# Altium PCB Anchor.PcbDoc
Units mil, origin at the board's own origin, x right, y up, seen from the top; angles counter-clockwise.
Board outline 1889.76 x 1417.32 mil, 2 copper layers (Top Layer, Bottom Layer); 50 components, 36 nets, 187 pads, 45 vias.
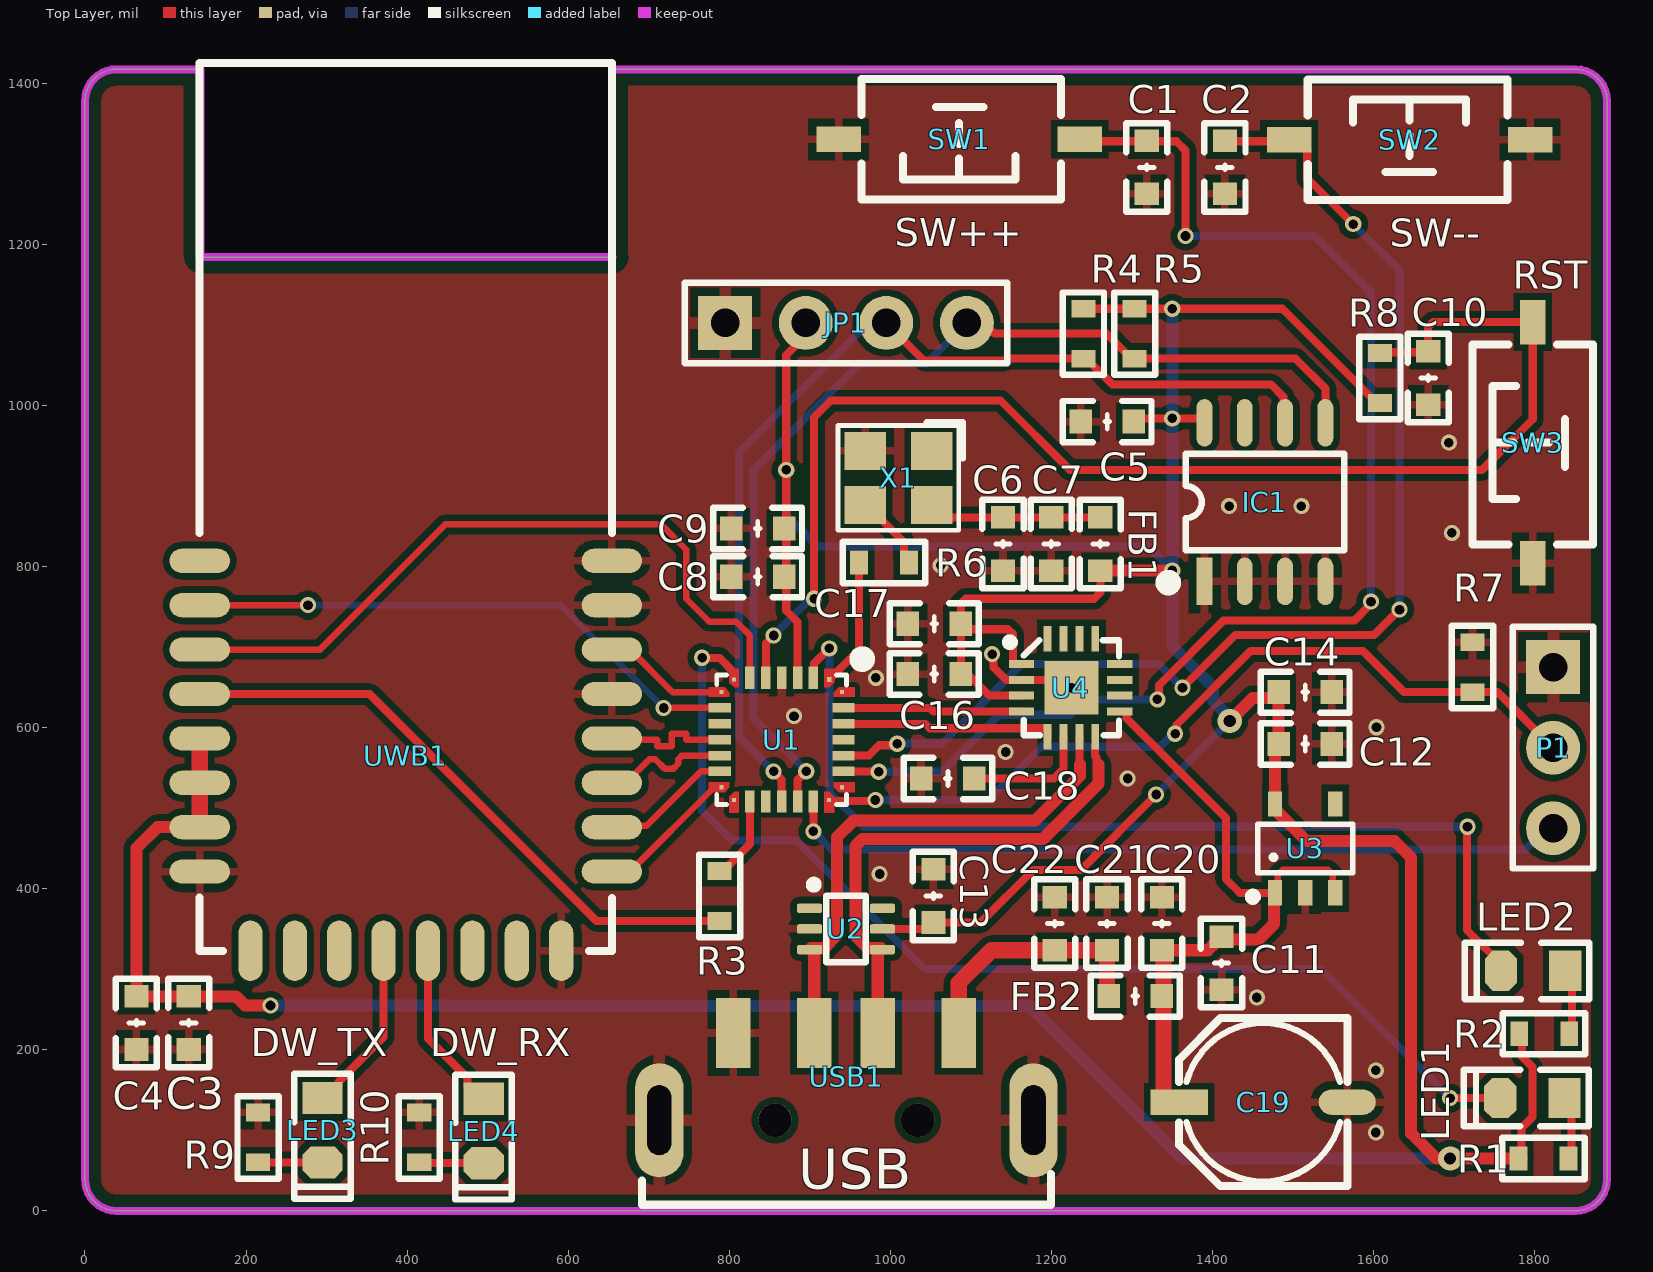
[diagram p0: Top Layer view]
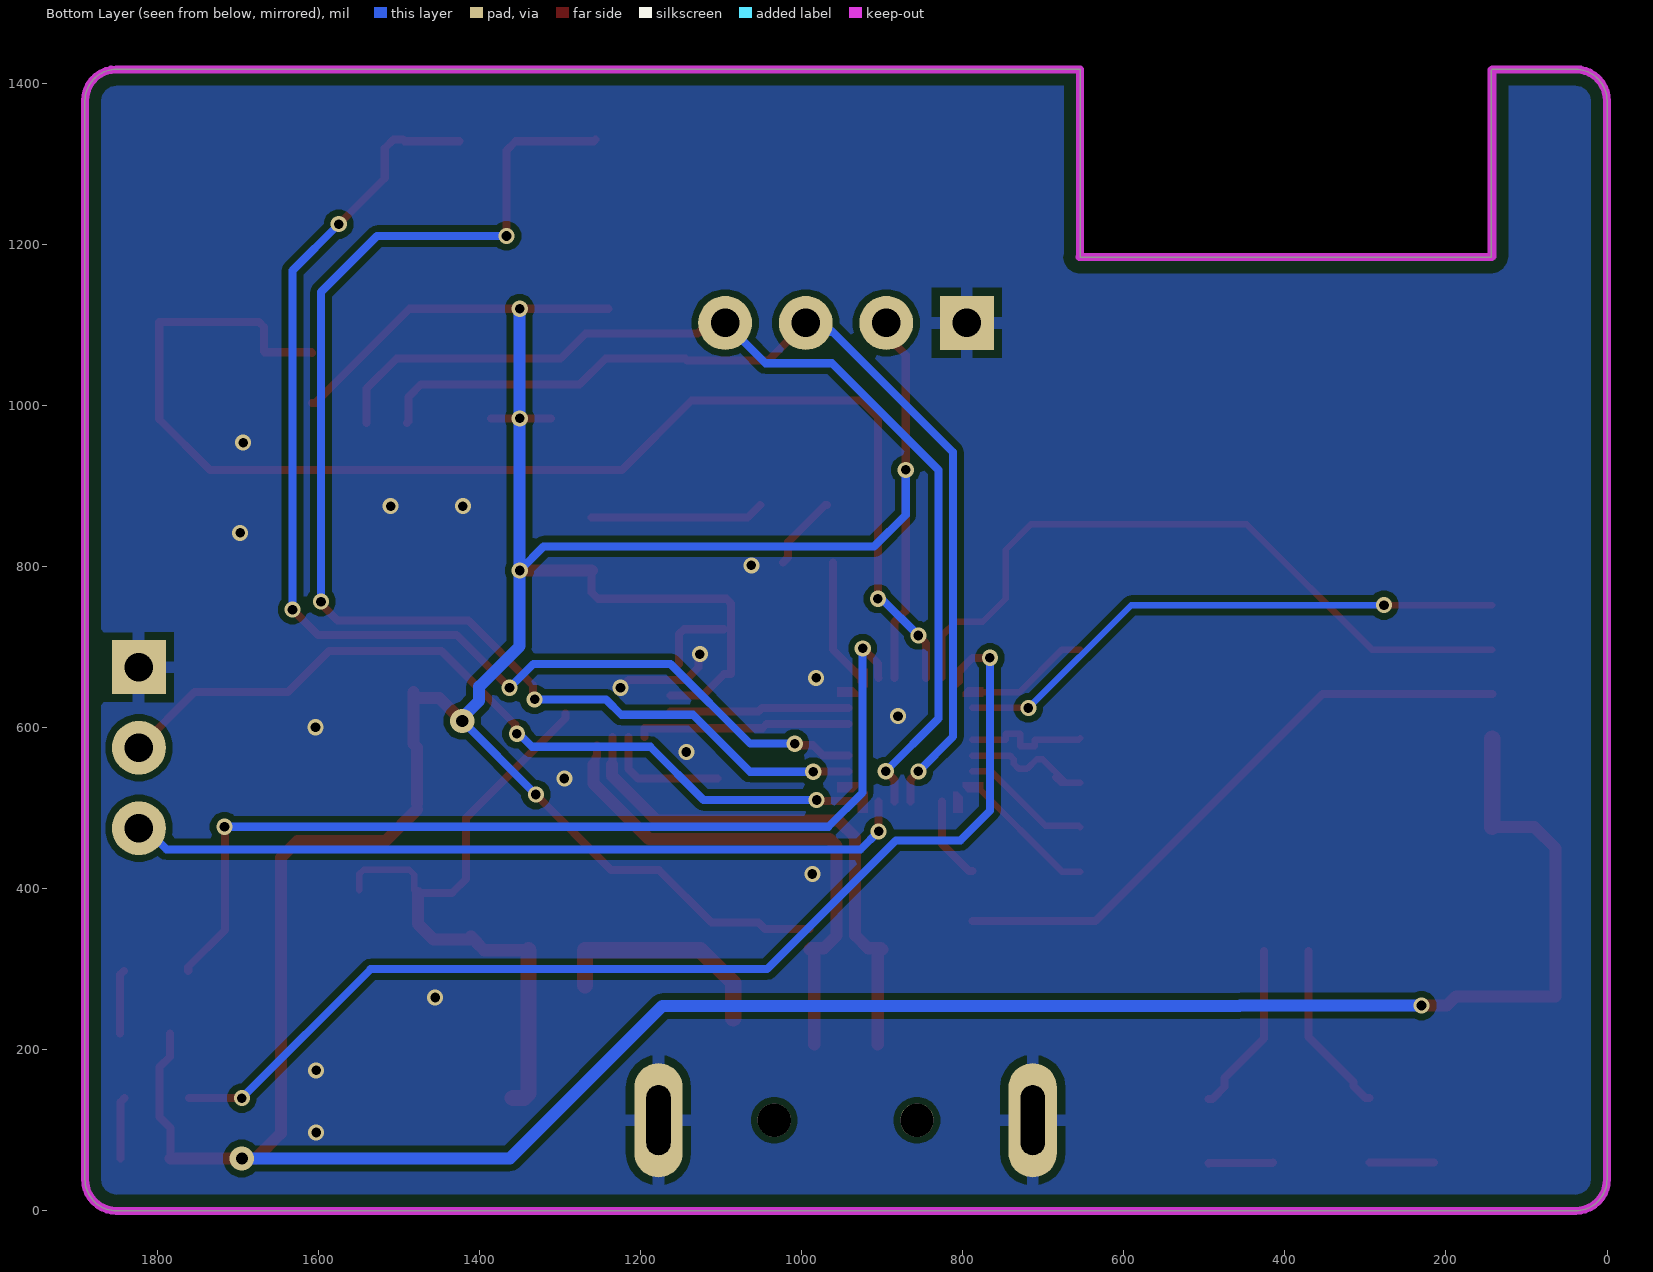
[diagram p1: Bottom Layer view, seen from below]

## Layer stack, top to bottom
Top Solder: solder mask 0.4, Solder Resist, Dk 3.5
Top Layer: signal copper 1.4
Dielectric 1: dielectric 12.6, FR-4, Dk 4.8
Bottom Layer: signal copper 1.4
Bottom Solder: solder mask 0.4, Solder Resist, Dk 3.5

## Board outline
0,39.37 0,1377.95 cw(c39.37,1377.95) 39.37,1417.32 142.48,1417.32 143.49,1416.31 143.49,1184.14 654.29,1184.14 654.29,1417.32 1850.39,1417.32 cw(c1850.39,1377.95) 1889.76,1377.95 1889.76,39.37 cw(c1850.39,39.37) 1850.39,0 39.37,0 cw(c39.37,39.37)

## Design rules (kind name [scope] priority, off if disabled: settings)
Clearance RF_Pour_Clearance [InNetClass('RF') vs InPolygon] p1: gap=15 ignorepadtopadclearanceinfootprint=TRUE
Clearance Chip_Pin [InComponent('BK1','USBC1','U1')] p2: gap=6 ignorepadtopadclearanceinfootprint=TRUE
Clearance Frame_Shrink [OnLayer('Keep-Out Layer') vs InPolygon] p3: gap=15 ignorepadtopadclearanceinfootprint=FALSE
Clearance [All] p4: gap=8 ignorepadtopadclearanceinfootprint=TRUE
DiffPairsRouting [All] p1: maxlimit=10 minlimit=10 mostfreqgap=10 toplayer_minwidth=8 toplayer_maxwidth=15 toplayer_prefwidth=8 bottomlayer_minwidth=8 bottomlayer_maxwidth=15 bottomlayer_prefwidth=8 maxuncoupledlength=500
MatchedLengths DiffPair_MatchedLengths [InDifferentialPair ('UD')] p1: tolerance=1000 checknetsindiffpair=FALSE checkdiffpairvsdiffpair=TRUE checkxsignals=TRUE checkothers=TRUE
MinimumSolderMaskSliver [All] p1: minsoldermaskwidth=0
PlaneClearance [All] p1: clearance=15
PlaneConnect [All] p1: planeconnectstyle=Direct reliefexpansion=20 reliefentries=4 reliefconductorwidth=15 reliefairgap=10
PolygonConnect PolygonConnect_RF [InComponentClass('RF_Comp')] p1: connectstyle=Direct reliefconductorwidth=10 reliefentries=4 polygonreliefangle="90 Angle" airgapwidth=10
PolygonConnect [All] p2: thpad.connectstyle=Relief thpad.reliefconductorwidth=15 thpad.reliefentries=4 thpad.polygonreliefangle="90 Angle" thpad.airgapwidth=10 smdpad.connectstyle=Relief smdpad.reliefconductorwidth=10 smdpad.reliefentries=4 smdpad.polygonreliefangle="90 Angle" smdpad.airgapwidth=10 via.connectstyle=Direct via.reliefconductorwidth=10 via.reliefentries=4 via.polygonreliefangle="90 Angle" via.airgapwidth=10
RoutingVias [All] p1: holewidth=12 width=20 viastyle="Through Hole" minholewidth=12 minwidth=18 maxholewidth=25 maxwidth=50
SilkToSilkClearance [All] p1: silktosilkclearance=0
SilkToSolderMaskClearance [IsPad] p1: minsilkscreentomaskgap=0 clearancetoexposedcopper=TRUE
SolderMaskExpansion [All] p1: expansion=4 istentingtop=FALSE
Width PWR [InNetClass('PWR')] p1: maxlimit=50 minlimit=8 preferedwidth=15
Width [All] p2: maxlimit=30 minlimit=8 preferedwidth=10
24 further rules are at their usual default settings.

## Classes and differential pairs
net class PWR: 3V3 USB_5V VBUS

## Components (designator, comment, footprint, x,y, rotation, side; value= is the part's Value field where it differs from the comment)
C1 "Cap" "C 0603_L" 1318.24,1295.53 r90 top value=0.1μF
C2 "Cap" "C 0603_L" 1415.31,1295.53 r90 top value=0.1μF
C3 "Cap" "C 0603_L" 128.83,233.36 r90 top value=10μF
C4 "Cap" "C 0603_L" 63.83,233.36 r270 top value=0.1μF
C5 "Cap" "C 0603_L" 1269.18,979.87 r0 top value=0.1μF
C6 "Cap" "C 0603_L" 1139.78,827.96 r90 top value=10nF
C7 "Cap" "C 0603_L" 1199.78,827.96 r90 top value=1μF
C8 "Cap" "C 0603_L" 835.24,787.28 r0 top value=0.1μF
C9 "Cap" "C 0603_L" 835.24,847.28 r180 top value=4.7μF
C10 "Cap" "C 0603_L" 1667.73,1034 r90 top value=0.1μF
C11 "Cap" "C 0603_L" 1411.14,307.6 r270 top value=10μF
C12 "Cap" "C 0603_L" 1515,579.73 r0 top value=10μF
C13 "Cap" "C 0603_L" 1053.34,391 r270 top value=0.1μF
C14 "Cap" "C 0603_L" 1515,644 r0 top value=0.1μF
C16 "Cap" "C 0603_L" 1054.46,666.5 r180 top value=1μF
C17 "Cap" "C 0603_L" 1054.46,729 r0 top value=1μF
C18 "Cap" "C 0603_L" 1071.34,536.81 r0 top value=0.1μF
C19 "Cap Pol1" "CM C(5*5.4)" 1462.91,134.96 r180 top value=100μF
C20 "Cap" "C 0603_L" 1337,356.6 r270 top value=1μF
C21 "Cap" "C 0603_L" 1269,356.6 r270 top value=10μF
C22 "Cap" "C 0603_L" 1204,356.6 r270 top value=0.1μF
FB1 "Ferrite bead" "C 0603_L" 1260.59,827.96 r270 top value=600Ω
FB2 "Ferrite bead" "C 0603_L" 1304,266.6 r180 top value=30Ω
IC1 "24Cxx" SOP8_L 1465,880 r90 top
JP1 "HDR-1X4" HDR2.54-LI-4P 944.88,1102.36 r0 top
LED1 "黄色" "LED 0805G" 1797.02,140 r180 top
LED2 "红色" "LED 0805R" 1797.93,298 r180 top
LED3 "橙色" "LED 0805G" 295,100 r270 top
LED4 "绿色" "LED 0805G" 495,99.09 r270 top
P1 "Header 3" HDR2.54-LI-3P 1822.73,575 r270 top
R1 "Resistor" "R 0603_L" 1810.8,65 r180 top value=1K
R2 "Resistor" "R 0603_L" 1811.71,220 r180 top value=1K
R3 "Resistor" "R 0603_L" 788,391 r270 top value=0Ω
R4 "Resistor" "R 0603_L" 1239.59,1089.04 r270 top value=3.3K
R5 "Resistor" "R 0603_L" 1303.26,1089.04 r270 top value=3.3K
R6 "Resistor" "R 0603_L" 992,805 r0 top value=33Ω
R7 "Resistor" "R 0603_L" 1722.73,675 r90 top value=100K
R8 "Resistor" "R 0603_L" 1607.73,1034 r270 top value=10K
R9 "Resistor" "R 0603_L" 215,91.22 r90 top value=1K
R10 "Resistor" "R 0603_L" 415,91.22 r90 top value=2K
SW1 "3x6x5" "TSW SMD-3*6*2.5" 1085.44,1330.4 r180 top
SW2 "3x6x5" "TSW SMD-3*6*2.5" 1644.61,1330 r0 top
SW3 "3x6x5" "TSW SMD-3*6*2.5" 1797.53,953.83 r90 top
U1 "STM32G071GBU6" UFQFPN-28 865,585 r270 top
U2 "CH412K" SOT-363 944.88,350 r270 top
U3 "RT9013" SOT23-5L 1515,450 r0 top
U4 "CH343P" QFN16 1224.78,649.45 r0 top
USB1 "USB" USB_A/P_B 944.88,112.6 r0 top
UWB1 "UWB-X3" UWB-X3-MAX-IPEX 142.48,322.83 r270 top
X1 "XTAL" "OSC 3225-4P" 1010,910 r180 top

## Footprints (in the part's own frame and the unit in brackets; to place one, negate y for a bottom-side part, rotate by r counter-clockwise, add the part's x,y. Pads: shape width x height; smd on the part's side, far side on the other; paste and mask are expansions set on the pad)
"C 0603_L" [mil] "无极性贴片电容                                       淘宝ID:黄晶宝石"
  rect 28x30 smd: 1(-33,0) 2(33,0)
  silkscreen extent -55,-26 55,26, body extent -31,-16 31,16, height 32
"CM C(5*5.4)" [mm] "贴片电解电容，直径5mm，高5.4mm            淘宝ID:黄晶宝石"
  rect 1.8x0.8 smd: 1(2.65,0)
  oval 1.8x0.8 smd: 2(-2.65,0)
  silkscreen extent -2.65,-2.65 2.65,2.65, body extent -2.95,-2.65 2.95,2.65, height 5.4
HDR2.54-LI-3P [mm] "排针，3脚"
  rect 1.7x1.7 hole 0.9: 1(-2.54,0)
  round 1.7 hole 0.9: 2(0,0) 3(2.54,0)
  silkscreen extent -3.81,-1.27 3.81,1.27, body extent -3.81,-1.27 3.81,1.27, height 8.5
HDR2.54-LI-4P [mm] "排针，4脚"
  rect 1.7x1.7 hole 0.9: 1(-3.81,0)
  round 1.7 hole 0.9: 2(-1.27,0) 3(1.27,0) 4(3.81,0)
  silkscreen extent -5.08,-1.27 5.08,1.27, body extent -5.08,-1.27 5.08,1.27, height 8.5
"LED 0805G" [mil] "绿色0805LED                              淘宝ID:黄晶宝石"
  rect 40x50 smd: 1(-40,0)
  oct 40x50 smd: 2(40,0)
  silkscreen extent -70,-35 85,35, body extent -39,-25 39,25, height 32
"LED 0805R" [mil] "红色0805LED                                       淘宝ID:黄晶宝石"
  rect 40x50 smd: 1(-40,0)
  oct 40x50 smd: 2(40,0)
  silkscreen extent -70,-35 85,35, body extent -39,-25 39,25, height 32
"OSC 3225-4P" [mm] "3.2*2.5*0.7mm(长宽高)                         淘宝ID:黄晶宝石"
  rect 1.3x1.2 smd: 1(-1.05,-0.85) 2(1.05,-0.85) 3(1.05,0.85) 4(-1.05,0.85)
  silkscreen extent -2.03,-1.75 1.91,1.65, body extent -1.6,-1.25 1.6,1.25, height 0.7
QFN16 [mm] "3mm*3mm 封装库来自淘宝卖家 ID：黄晶宝石"
  rect 1.7x1.7 smd: 0(0,0)
  rect 0.8x0.25 smd: 1(-1.575,0.75) 2(-1.575,0.25) 3(-1.575,-0.25) 4(-1.575,-0.75) 9(1.524,-0.75) 10(1.524,-0.25) 11(1.524,0.25) 12(1.524,0.75)
  rect 0.25x0.8 smd: 5(-0.75,-1.55) 6(-0.25,-1.55) 7(0.25,-1.55) 8(0.75,-1.55) 13(0.75,1.55) 14(0.25,1.55) 15(-0.25,1.55) 16(-0.75,1.55)
  silkscreen extent -2.07,-1.5 1.5,1.56, body extent -1.55,-1.52 1.49,1.52, height 0.9
"R 0603_L" [mil] "1/10W贴片电阻                 淘宝ID:黄晶宝石"
  rect 22x30 smd: 1(-31,0) 2(31,0)
  silkscreen extent -51,-26 51,26, body extent -31,-16 32,16, height 16
SOP8_L [mm] "5*6*1.8mm（长宽高）封装库来自淘宝卖家 ID：黄晶宝石"
  rect 1.5x0.5 smd: 1(-2.5,1.905)
  oval 1.5x0.5 smd: 2(-2.5,0.635) 3(-2.5,-0.635) 4(-2.5,-1.905) 5(2.5,-1.905) 6(2.5,-0.635) 7(2.5,0.635) 8(2.5,1.905)
  silkscreen extent -2.69,-2.5 1.52,3.2, body extent -3,-2.5 3,2.5, height 1.9
SOT23-5L [mm] "3x1.6x1.1mm(长宽高) 封装库来自淘宝卖家 ID：黄晶宝石"
  rect 0.45x0.8 smd: 1(-0.95,-1.4) 2(0,-1.4) 3(0.95,-1.4) 4(0.95,1.4) 5(-0.95,1.4)
  silkscreen extent -1.78,-1.65 1.5,0.76, body extent -1.5,-1.4 1.5,1.4, height 1.15
SOT-363 [mm]
  rrect50% 0.3x0.8 smd: 1(-0.65,-1.15) 2(0,-1.15) 3(0.65,-1.15) 4(0.65,1.15) 5(0,1.15) 6(-0.65,1.15)
  silkscreen extent -1.52,-1.14 1.05,0.63, body extent -1.1,-1.2 1.1,1.2, height 1.1
"TSW SMD-3*6*2.5" [mm] "3*6*2.5mm"
  rect 1.4x0.8 smd: 1(-3.8,0) 2(3.8,0)
  silkscreen extent -3.21,-1.9 3.09,1.9, body extent -4,-1.75 4,1.75, height 2.59
UFQFPN-28 [mm]
  rect 0.152x0.152 smd paste-0.064 mask-0.064: 1(-1.9,1.5)
  rect 0.7x0.3 smd: 2(-1.95,1) 3(-1.95,0.5) 4(-1.95,0) 5(-1.95,-0.5) 6(-1.95,-1) 16(1.95,-1) 17(1.95,-0.5) 18(1.95,0) 19(1.95,0.5) 20(1.95,1)
  rect 0.127x0.127 smd paste-0.064 mask-0.064: 7(-1.9,-1.5) 8(-1.5,-1.9) 14(1.5,-1.9) 15(1.9,-1.5) 21(1.9,1.5) 22(1.5,1.9) 28(-1.5,1.9)
  rect 0.3x0.7 smd: 9(-1,-1.95) 10(-0.5,-1.95) 11(0,-1.95) 12(0.5,-1.95) 13(1,-1.95) 23(1,1.95) 24(0.5,1.95) 25(0,1.95) 26(-0.5,1.95) 27(-1,1.95)
  Top Layer region: 1.796,1.652 2.3,1.652 2.3,1.348 1.646,1.348 1.646,1.502
  Top Layer region: 1.796,-1.652 2.3,-1.652 2.3,-1.348 1.646,-1.348 1.646,-1.502
  Top Layer region: 1.652,1.796 1.652,2.3 1.348,2.3 1.348,1.646 1.502,1.646
  Top Layer region: -1.652,1.796 -1.652,2.3 -1.348,2.3 -1.348,1.646 -1.502,1.646
  Top Layer region: -1.796,-1.652 -2.24,-1.652 -2.24,-1.348 -1.646,-1.348 -1.646,-1.502
  Top Layer region: -1.652,-1.796 -1.652,-2.3 -1.348,-2.3 -1.348,-1.646 -1.502,-1.646
  Top Layer region: 1.652,-1.796 1.652,-2.3 1.348,-2.3 1.348,-1.646 1.502,-1.646
  Top Layer region: -1.796,1.652 -2.24,1.652 -2.24,1.348 -1.646,1.348 -1.646,1.502
  silkscreen extent -2.74,-2.04 2.04,2.74, body extent -2,-2 2,2, height 0.55
USB_A/P_B [mm] "A型USB 插头，20*13*4.5mm"
  round 1.05 hole 1.05: 0(-2.237,0) 0(2.263,0)
  rect 1.1x2.2 smd: 1(3.556,2.75) 2(1,2.75) 3(-1,2.75) 4(-3.556,2.75)
  oval 1.524x3.6 hole 0.762 slot 2.2 at 90 deg: 4(-5.887,0) 4(5.913,0)
  silkscreen extent -6.44,-2.67 6.46,-1.7, body extent -6.46,-17.9 6.49,2.7, height 3.25
UWB-X3-MAX-IPEX [mil]
  oval 30x75 smd: 1(-484.25,0) 2(-429.13,0) 3(-374.02,0) 4(-318.9,0) 5(-263.78,0) 6(-208.66,0) 7(-153.54,0) 8(-98.43,0) 17(-98.43,511.81) 18(-153.54,511.81) 19(-208.66,511.81) 20(-263.78,511.81) 21(-318.9,511.81) 22(-374.02,511.81) 23(-429.13,511.81) 24(-484.25,511.81)
  oval 75x30 smd: 9(0,62.99) 10(0,118.11) 11(0,173.23) 12(0,228.35) 13(0,283.46) 14(0,338.58) 15(0,393.7) 16(0,448.82)
  silkscreen extent -1102,0 0,512, body extent -1100,0 0,512, height 118

## Part data
C1 C2 C3 C4 C5 C6 C7 C8 C9 C10 C11 C12 C13 C14 C16 C17 C18 C20 C21 C22: "Capacitor", LatestRevisionDate=17-Jul-2002, LatestRevisionNote="Re-released for DXP Platform.", PackageDescription="Radial Cap, Thru-Hole; 2 Leads; 0.3 in Pin Spacing", PackageReference=RAD-0.3, Published=8-Jun-2000, Publisher="Altium Limited"
C19: "Polarized Capacitor (Radial)", LatestRevisionDate=17-Jul-2002, LatestRevisionNote="Re-released for DXP Platform.", PackageReference=RB7.6-15, Published=8-Jun-2000, Publisher="Altium Limited"
FB1 FB2: "铁氧体磁珠"
IC1: "外置EEPROM", BOM名称=外置EEPROM, 唯一出售店铺网址=https://shop463601444.taobao.com, 版权归属="封装库来自淘宝 ID：黄晶宝石"
JP1: library part "Header 4", "4P接插件", BOM名称=4P接插件, 学习资源=https://shop463601444.taobao.com, 版权归属="封装库来自淘宝 ID：黄晶宝石"
LED1 LED2 LED3 LED4: library part LED-SMD, "贴片LED", BOM名称=贴片LED, 学习资源=https://shop463601444.taobao.com, 版权归属="封装库来自淘宝 ID：黄晶宝石"
P1: "Header, 3-Pin", LatestRevisionDate=17-Jul-2002, LatestRevisionNote="Re-released for DXP Platform.", Publisher="Altium Limited"
SW1 SW2 SW3: library part "TSW 3x6", "3x6轻触开关", BOM名称=3x6轻触开关, 学习资源=https://shop463601444.taobao.com, 版权归属="封装库来自淘宝 ID：黄晶宝石"
U1: "No Description Available", Mfr_Name=STMicroelectronics, RefDes=RefDes, Type=Type
U2: "四路ESD保护"
U3: "LDO"
U4: library part CH343, "USB转串口"
USB1: library part USB-A/P, "USB-A型公接口", BOM名称=USB-A型公接口, 学习资源=https://shop463601444.taobao.com, 版权归属="封装库来自淘宝卖家 ID：黄晶宝石"
UWB1: library part UWB-X3(DWM3000)
X1: "4脚有源晶振"
R1 R2 R3 R4 R5 R6 R7 R8 R9 R10: LatestRevisionDate=17-Jul-2002, LatestRevisionNote="Re-released for DXP Platform.", PackageReference=AXIAL-0.5, Published=8-Jun-2000, Publisher="Altium Limited"

## Via types
v1: diameter 20, hole 12, Top Layer to Bottom Layer, tented both sides, 43 vias
v2: diameter 30, hole 15, Top Layer to Bottom Layer, tented both sides, 2 vias

## Nets (pads, with @x,y where several pads share a name; then routed paths per layer and width w, separated by ;. In a path a pad name is that pad's centre, name@x,y a point inside that pad or via, vN(x,y) a via of type N, cw(c..) or ccw(c..) an arc to the next point about the centre after c; other vN are vias at no path point)
3V3: C3.2 C4.1 C5.2 C8.2 C9.1 C12.1 C13.2 C14.1 C16.1 C17.2 FB1.2 IC1.8 JP1.2 R1.2 R2.2 R4.1 R5.1 R8.2 U1.3 U2.5 U3.5 U4.1 U4.3 UWB1.5 UWB1.6 UWB1.7 | length 6316.9
  Top Layer w10: U1.3 884.68,731.07 870.7,745.05 v1(870.7,919.94) 870.7,1062.78 894.88,1086.96 JP1.2 ; U2.5 1045.34,350 C13.2 1111.93,358 1177.3,423.37 1236.44,423.37 v1(1330,516.93) ; C17.2@1096.46,722.14 1146.16,722.14 1152.02,716.28 U4.1@1152.02,679.06 ; U4.3 1123.02,639.61 1096.13,666.5 C16.1 1087.46,754.14 1093.32,760 1252.72,760 1260.59,767.87 FB1.2 ; R4.1 R5.1 v1(1350,1120.04) 1486.69,1120.04 1603.73,1003 R8.2 ; C5.2@1311.13,983.87 v1(1350,983.87) IC1.8@1385.53,983.87 ; U3.5@1477.6,498.23 U3.5 ; C12.1@1477.6,575.33 C12.1 ; R1.2@1783.39,65 1783.39,102.78 1797.1,116.49 1797.1,178.51 1784.29,191.32 R2.2@1784.29,220
  Top Layer w15: UWB1.7 90,476.38 63.83,450.2 C4.1 C3.2 187.43,266.36 198.89,254.9 v1(230.37,254.9) ; FB1.2 v1(1350,794.96) ; v2(1421.31,608.24) 1449.57,636.5 C14.1@1475.5,636.5 ; U3.5@1477.6,498.23 1516.45,459.37 1625.65,459.37 1646.59,438.43 1646.59,96.25 1677.85,65 v2(1695,65) R1.2@1783.39,65 ; U3.5 C12.1@1477.6,575.33 ; C12.1 C14.1
  Top Layer w20: UWB1.7 UWB1.6 UWB1.5
  Bottom Layer w10: v1(870.7,919.94) 870.7,864.07 910.09,824.68 1320.28,824.68 v1(1350,794.96) ; v1(1330,516.93) v2@1423,609.93
  Bottom Layer w15: v1(230.37,254.9) 455.66,254.9 456.16,254.41 1172.84,254.41 1362.25,65 v2(1695,65) ; v1(1350,1120.04) v1(1350,983.87) v1(1350,794.96) 1350,701.13 1400.28,650.85 1400.28,633.33 v2@1421.31,612.3
D_DATA_N: U2.4 U4.8 USB1.2 | length 657.3
  Top Layer w8: U2.4@984.25,322.5 986.16,324.41 U2.4
  Top Layer w10: U4.8@1254.25,577.69 1254.25,564.53 1255.73,563.05 1255.73,556.66 1258.35,554.03
  Top Layer w15: USB1.2@984.25,206.69 U2.4@984.25,322.5 ; U2.4 988.56,326 972.31,326 956.54,341.77 956.54,452.91 965.33,461.7 1189.53,461.7 1258.35,530.52 1258.35,554.03
D_DATA_P: U2.3 U4.7 USB1.3 | length 669.5
  Top Layer w8: U2.3 U2.3@903.61,324.41 ; U2.3@905.51,322.5 U2.3@903.61,324.41 ; U2.3@905.51,324.41 U2.3@903.61,324.41
  Top Layer w10: U4.7 1234.62,554.77 1235.35,554.03
  Top Layer w15: U2.3 901.2,326 917.45,326 933.54,342.09 933.54,463.82 954.42,484.7 1180,484.7 1235.35,540.05 1235.35,554.03 ; USB1.3@905.51,206.69 U2.3@905.51,322.5
DW_IRQn: U1.8 UWB1.22 | length 157.8
  Top Layer w8: UWB1.22 676.79,696.85 729.59,644.06 U1.8
DW_MISO: U1.12 UWB1.19 | length 177.7
  Top Layer w8: UWB1.19 UWB1.19@671.48,531.5 ; UWB1.19@684.98,538.13 678.34,531.5 UWB1.19@671.48,531.5 ; U1.12 741.2,565.32 736.52,560.63 736.52,554.95 730.21,548.64 720.28,548.64 708.04,560.87 700.85,560.87 UWB1.19@671.48,531.5
DW_MOSI: U1.13 UWB1.18 | length 162.6
  Top Layer w8: UWB1.18 655.95,478.04 697.31,478.04 764.9,545.63 U1.13
DW_NSS: U1.14 UWB1.17 | length 179.3
  Top Layer w8: UWB1.17 676.79,421.26 781.47,525.94 U1.14
DW_RESET: U1.6 UWB1.3 | length 893
  Top Layer w8: UWB1.3 291.85,696.85 447.28,852.28 715.35,852.28 746.65,820.97 746.65,760 775.1,731.56 808.44,731.56 825.63,714.37 U1.6
DW_SCK: U1.11 UWB1.20 | length 165.6
  Top Layer w8: UWB1.20 655.9,585 688.65,585 710.65,585 710.65,576.87 728.65,576.87 728.65,592.36 746.65,592.36 746.65,585 771,585 U1.11
DW_WUP: U1.9 UWB1.2 | length 698.6
  Top Layer w8: UWB1.2 v1(276.97,751.97) ; v1(718.52,624.37) U1.9
  Bottom Layer w8: v1(276.97,751.97) 590.92,751.97 v1(718.52,624.37)
GND: C1.1 C2.1 C3.1 C4.2 C5.1 C6.1 C7.1 C8.1 C9.2 C10.1 C11.2 C12.2 C13.1 C14.2 C16.2 C17.1 C18.1 C19.2 C20.1 C21.1 C22.1 IC1.1 IC1.2 IC1.3 IC1.4 JP1.1 P1.1 R7.2 R9.2 R10.2 SW1.2 SW2.2 SW3.1 U1.4 U2.2 U3.2 U4.0 U4.2 USB1.4 UWB1.8 UWB1.16 UWB1.21 UWB1.23 UWB1.24 X1.2 | length 124.5
  Top Layer w10: v1(1126.34,691.22) 1128.25,689.31 1128.25,674.44 1143.32,659.37 1162.69,659.37 U4.2 1214.93,659.29 v1(1224.78,649.45)
  other v1: 1602.76,97.29 1602.7,174.43 1455,265 986.67,418.33 1294.59,536.81 1143.06,569.8 1603.48,600.46 880.24,614.17 981.97,661.77 1062.34,801.48 1697.14,841.79 1420.57,874.96 1510.23,874.96 1693.33,953.83
LED1: LED1.2 U1.7 | length 1387.9
  Top Layer w10: v1(766.22,686.65) 787.67,686.65 805.94,668.38 U1.7 ; v1(1695,140) LED1.2@1760.61,140
  Bottom Layer w10: v1(766.22,686.65) 766.22,496.76 802.9,460.08 882.91,460.08 1042.95,300.04 1534.96,300.04 v1(1695,140)
LED2: LED2.2 U1.2 | length 1232
  Top Layer w10: U1.2 905.28,662.68 905.28,679.54 v1(924.15,698.41) ; v1(1716.51,476.92) 1715.6,476.01 1715.6,348.91 1761.51,303 LED2.2@1761.51,298
  Bottom Layer w10: v1(924.15,698.41) 924.15,519.61 966.84,476.92 v1(1716.51,476.92)
MCU_RX: U1.27 U4.4 | length 222.8
  Top Layer w10: U1.27 1049.1,624.37 1053.55,619.92 U4.4
MCU_TX: U1.26 U4.5 | length 266.5
  Top Layer w10: U1.26 1043.33,604.68 1048.83,599.19 1195.17,599.19 1195.25,599.11 U4.5
NetC1_2: C1.2 SW1.1 U1.23 | length 1619.3
  Top Layer w10: U1.23 942.01,545.39 985.31,545.39 v1(985.55,545.16) ; SW1.1@1255.83,1330 1257.83,1328 1328.22,1328 1354.96,1328 1366.37,1316.6 v1(1366.37,1210.34) ; v1(1331.4,635) 1333.31,636.91 1333.31,652.65 1413.66,733 1576.02,733 1596.73,753.71 v1(1596.73,756.42)
  Bottom Layer w10: v1(985.55,545.16) 1064.06,545.16 1134.89,615.98 1223.84,615.98 1242.85,635 v1(1331.4,635) ; v1(1366.37,1210.34) 1527.02,1210.34 1596.73,1140.63 v1(1596.73,756.42)
NetC2_2: C2.2 SW2.1 U1.24 | length 1507.8
  Top Layer w10: U1.24 973.18,565.32 985.95,578.09 1006.55,578.09 v1(1008.46,580) ; v1(1362.64,649.45) 1428.19,715 1600.58,715 v1(1632,746.42) ; C2.2@1425,1328 1493,1328 SW2.1 1506.81,1330 1517.56,1319.25 1517.56,1282.05 v1(1574.61,1225)
  Bottom Layer w10: v1(1008.46,580) 1063.79,580 1162.77,678.98 1333.11,678.98 v1(1362.64,649.45) ; v1(1574.61,1225) 1632,1167.61 v1(1632,746.42)
NetC6_2: C6.2 C7.2 FB1.1 X1.4 | length 215.7
  Top Layer w10: X1.4 1066.92,860.96 C6.2 C7.2 FB1.1
NetC18_2: C18.2 U4.6 | length 155.3
  Top Layer w10: C18.2 1203.13,536.81 1214.85,548.54 U4.6 U4.6
NetLED1_1: LED1.1 R1.1 | length 77
  Top Layer w10: LED1.1@1840.61,140 1845.39,135.22 R1.1@1845.39,65
NetLED2_1: LED2.1 R2.1 | length 80
  Top Layer w10: LED2.1@1841.51,298 1846.29,293.22 R2.1@1846.29,220
NetLED3_1: LED3.1 UWB1.12 | length 217.2
  Top Layer w10: LED3.1 300,140 315,155 315,160 370.83,215.83 UWB1.12
NetLED3_2: LED3.2 R9.1 | length 80.1
  Top Layer w10: R9.1 215.11,60.11 294.89,60.11 LED3.2
NetLED4_1: LED4.1 UWB1.13 | length 215.3
  Top Layer w10: UWB1.13 425.94,214.06 475,165 475,154.09 490,139.09 LED4.1
NetLED4_2: LED4.2 R10.1 | length 80.5
  Top Layer w10: R10.1 415.56,59.66 494.44,59.66 LED4.2
NetR3_2: R3.2 UWB1.4 | length 762.2
  Top Layer w10: UWB1.4 353.27,641.73 635,360 R3.2
NetR6_1: R6.1 U1.1 | length 160.5
  Top Layer w10: U1.1 961,696.75 R6.1
NetR6_2: R6.2 X1.3 | length 95.2
  Top Layer w10: X1.3 970.63,876.54 1017,830.17 1017,811 R6.2
PA13: P1.3 U1.20 | length 975.5
  Top Layer w10: v1(904.37,471.14) U1.20
  Bottom Layer w10: v1(904.37,471.14) 926.61,448.9 1788.58,448.9 1814.67,475 P1.3
PA14: P1.2 R7.1 U1.21 | length 1028.4
  Top Layer w10: 926.56,508.94 980.03,508.94 v1(981.28,510.2) ; v1(1353.58,592.37) 1355.49,594.28 1355.49,603.52 1446.97,695 1586.87,695 1637.87,644 R7.1 1753.73,644 P1.2
  Bottom Layer w10: v1(981.28,510.2) 1121.84,510.2 1187.87,576.23 1334.73,576.23 1350.87,592.37 v1(1353.58,592.37)
RESET: C10.2 R8.1 SW3.2 U1.5 | length 1657.7
  Top Layer w10: U1.5 845.32,704.69 v1(855,714.37) ; v1(905.28,760) 905.28,985.28 925.87,1005.87 1136.92,1005.87 1222.79,920 1734.7,920 1797.53,982.83 1797.53,1091.63 SW3.2 1673.59,1103.44 1667.73,1097.58 C10.2 1666.73,1066 1608.73,1066 R8.1
  Bottom Layer w10: v1(855,714.37) 900.63,760 v1(905.28,760)
SCK: IC1.6 JP1.3 R4.2 U1.18 | length 1271.1
  Top Layer w10: v1(855,545.63) 865,535.63 U1.18 ; JP1.3 1041.35,1055.9 1142.1,1055.9 1144.24,1058.04 R4.2 1243.59,1058.04 1275.63,1026 1472.78,1026 1488.15,1010.63 1488.15,980.28 IC1.6
  Bottom Layer w10: v1(855,545.63) 811.94,588.68 811.94,941.94 961.47,1091.47 983.99,1091.47 JP1.3
SDA: IC1.5 JP1.4 R5.2 U1.19 | length 1305.2
  Top Layer w10: U1.19 884.68,535 v1(895.5,545.81) ; JP1.4 1105.77,1091.47 1126.77,1091.47 1129.2,1089.04 1268.26,1089.04 1299.26,1058.04 R5.2 1502.96,1058.04 1540,1021 IC1.5
  Bottom Layer w10: v1(895.5,545.81) 829.94,611.37 829.94,919.94 962.36,1052.36 1044.88,1052.36 JP1.4
SYNC: R3.1 U1.16 | length 104.2
  Top Layer w10: R3.1 792,422 825.63,455.63 U1.16
USB_5V: C11.1 C19.1 C20.2 FB2.1 U3.1 U3.3 U4.9 | length 827.4
  Top Layer w8: U3.1@1480.9,398.18 1480.9,417.4 1487.13,423.63 1543.61,423.63 1549.47,417.77 U3.3@1549.47,397.81
  Top Layer w10: U4.9@1293.03,617.34 1293.03,611.67 1416.85,487.85 1416.85,411.79 1433.76,394.88 U3.1@1476.24,394.88
  Top Layer w15: C20.2@1339,323.6 1394.14,323.6 1403.64,333.1 1403.64,334.1 1410.14,340.6 C11.1 ; C11.1@1411.14,337 1456.97,337 1476.24,356.27 U3.1@1476.24,394.88
  Top Layer w20: C20.2@1339,323.6 1339,280 1339,145.75 1344.75,140 C19.1@1358.67,140
VBUS: C21.2 C22.2 FB2.2 USB1.1 | length 289
  Top Layer w20: USB1.1@1084.88,238.61 1084.88,282.95 1125.53,323.6 C22.2 C21.2 FB2.2@1269,279.88
pads on no net: IC1.7 U1.10 U1.15 U1.17 U1.22 U1.25 U1.28 U2.1 U2.6 U3.4 U4.10 U4.11 U4.12 U4.13 U4.14 U4.15 U4.16 USB1.0 UWB1.1 UWB1.9 UWB1.10 UWB1.11 UWB1.14 UWB1.15 X1.1

## Polygon pours and split planes (outlines as drawn)
GND on Bottom Layer "NONET_L02_P-001" (solid, pour order 1): 0,1417.32 0,0 1889.76,0 1889.76,1417.32 654.29,1417.32 655.1,1416.52 655.1,1184.14 143.49,1184.14 142.48,1185.15 142.48,1417.32
GND on Top Layer "NONET_L02_P-001" (solid, pour order 0): 0,1417.32 0,0 1889.76,0 1889.76,1417.32 654.29,1417.32 655.1,1416.52 655.1,1184.14 143.49,1184.14 142.48,1185.15 142.48,1417.32

## Keep-outs
Keep-Out Layer:
  lines w10: 654.29,1184.94 655.1,1184.14 143.49,1184.14 ; 142.48,1417.32 39.37,1417.32 ccw(c39.37,1377.95) 0,1377.95 0,39.37 ccw(c39.37,39.37) 39.37,0 1850.39,0 ccw(c1850.39,39.37) 1889.76,39.37 1889.76,1377.95 ccw(c1850.39,1377.95) 1850.39,1417.32 654.29,1417.32 ; 142.48,1417.32 143.49,1416.31 143.49,1184.14 ; 142.48,1417.32 142.48,1185.15 143.49,1184.14 ; 143.49,1184.14 654.29,1184.14 ; 654.29,1184.14 654.29,1417.32 ; 654.29,1184.14 654.29,1184.14 ; 654.29,1184.14 654.29,1417.32

## Silkscreen, mask and mechanical layers (free items; w line width, h text height)
Top Overlay:
  text "SW++" at 1005.17,1197.63 h35
  text "SW--" at 1619.73,1197 h35
  text "RST" at 1772.65,1145 h35
  text "DW_TX" at 206,191.83 h35
  text "DW_RX" at 428.87,191.83 h35
Mechanical 1:
  lines w10: 654.29,1184.13 654.29,1184.14 ; 654.29,1184.14 654.29,1417.32 1850.39,1417.32 cw(c1850.39,1377.95) 1889.76,1377.95 1889.76,39.37 cw(c1850.39,39.37) 1850.39,0 39.37,0 cw(c39.37,39.37) 0,39.37 0,1377.95 cw(c39.37,1377.95) 39.37,1417.32 142.48,1417.32 143.49,1416.31 143.49,1184.13 654.29,1184.13